# Altium PCB NUCLEOG431RB-Custom-IN-A2212.PcbDoc (part 2 of 5)
Units mm, origin at the board's own origin, x right, y up, seen from the top; angles counter-clockwise.
Board outline 170 x 108 mm, 4 copper layers (Top Layer, POWER1, POWER2, Bottom Layer), stack 1.746 mm thick; 529 components, 254 nets, 1242 pads, 583 vias.
Unrouted connection lines stored in the file: 26.
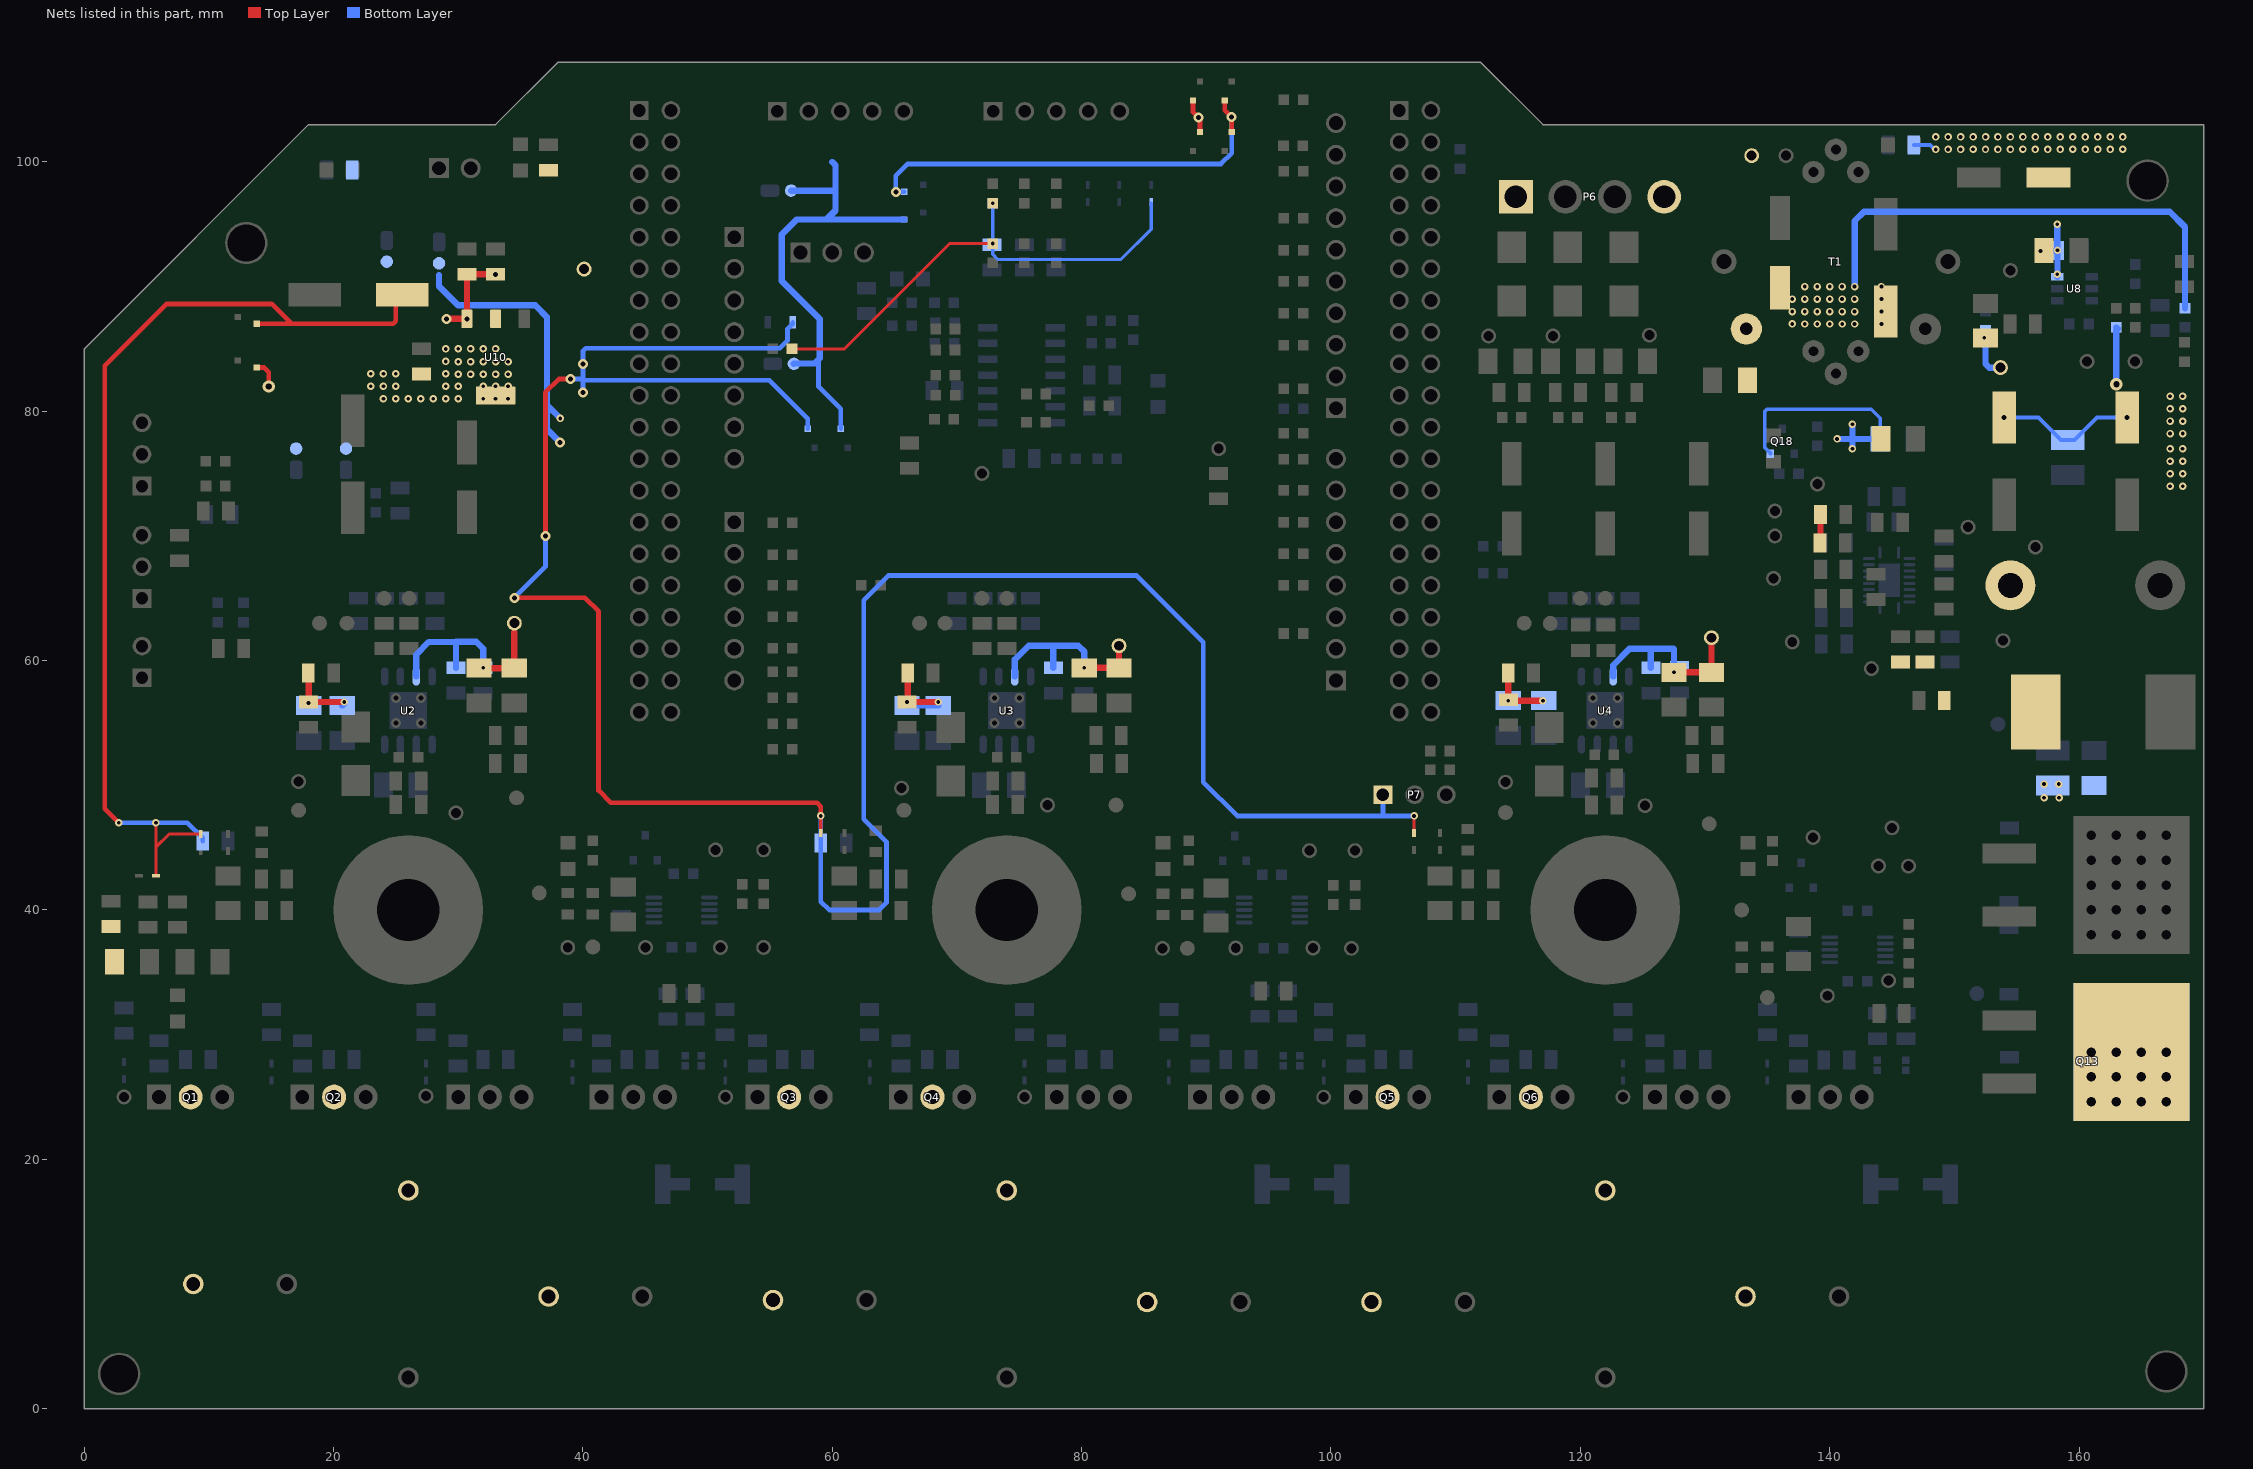
[diagram p4: the nets of this part, all layers, seen from the top]

## Footprints (in the part's own frame and the unit in brackets; to place one, negate y for a bottom-side part, rotate by r counter-clockwise, add the part's x,y. Pads: shape width x height; smd on the part's side, far side on the other; paste and mask are expansions set on the pad) (continued)
SMD-0805-RES [mil]
  rect 60x40 smd: 1(0,40) 2(0,-40)
  silkscreen extent -35,-65 35,65, body extent -24,-39 26,39, height 31
SMD-0805C [mil]
  rect 60x40 smd: 1(0,40) 2(0,-40)
  silkscreen extent -25,0 25,0, body extent -25,-39 25,39, height 35
SMD-1206-RES [mil]
  rect 80x60 smd: 1(0,55) 2(0,-55)
  silkscreen extent -45,-90 45,90, body extent -34,-66 34,66, height 33
SMD-1206C#1 [mil]
  rect 80x60 smd: 1(0,55) 2(0,-55)
  silkscreen extent -45,-90 45,90, body extent -31,-63 32,63, height 39
SMD-1206C#2 [mil]
  rect 80x60 smd: 1(0,55) 2(1.13,-55)
  silkscreen extent -45,-90 45,90, body extent -31,-63 32,63, height 39
SMD-1210C [mm]
  rect 1.6x2.7 smd: 1(-1.4,0) 2(1.4,0)
  silkscreen extent -2.13,-1.62 2.13,1.63, body extent -2,-1.22 2,1.27, height 1.7
SMD-2512-RES [mil]
  rect 49x125 smd: 1(-125.5,0) 2(125.5,0)
  rect 80x39.37 smd: 3(-78.74,0) 4(78.74,0)
  silkscreen extent -125,-75 125,75, body extent -125,-59 125,59, height 63
SOIC127P570X175_HS-9N [mm] "SOIC, 8-Leads, Body 4.91x3.90mm, Pitch 1.27mm, Thermal Pad 3.00x3.00mm, IPC Medium Density"
  oval 1.45x0.6 smd: 1(-2.725,1.905) 2(-2.725,0.635) 3(-2.725,-0.635) 4(-2.725,-1.905) 5(2.725,-1.905) 6(2.725,-0.635) 7(2.725,0.635) 8(2.725,1.905)
  round 0.8 hole 0.4: 4(-1,-1) 4(-1,1) 4(0,0) 4(1,-1) 4(1,1)
  rect 3x3 smd: 4(0,0)
  silkscreen extent -2.85,-2.5 1.6,2.88, body extent -2.77,-2.5 2.77,2.5, height 1.75
"Solder Bridge - HP" [mm]
  rrect50% 1.5x1 smd: 1(-1.7,0)
  round 1 smd: 2(0,0)
  Top Layer region: 1.173,-0.432 0.816,-0.947 0.253,-1.224 -0.373,-1.193 -0.905,-0.862 -1.21,-0.314 -1.21,0.313 -0.906,0.861 -0.374,1.193 0.252,1.224 0.815,0.948 1.173,0.433 1.173,0.433 0.614,0.43 0.329,0.674 -0.039,0.749 -0.397,0.636 -0.656,0.364 -0.75,0 -0.656,-0.364 -0.397,-0.636 -0.039,-0.749 0.329,-0.674 0.614,-0.43 0.614,-0.43
  Top Layer region: 0,-0.254 0,0.254 1.27,0.254 1.27,-0.254
"SOLDER BRIDGE - HP - SQ" [mm]
  rect 0.5x0.5 smd: 1(0,1.13) 2(1.524,0.571)
  Top Layer region: 0,0 0,0.254 1.27,0.254 1.27,0.864 0.432,0.864 0.432,1.143 1.524,1.143 1.524,0
  Top Layer region: 0,0.432 0,1.575 1.524,1.575 1.524,1.321 0.254,1.321 0.254,0.686 1.092,0.686 1.092,0.432
"Solder Bridge - HP - SQ" [mm]
  rect 0.5x0.5 smd: 1(0,1.13) 2(1.524,0.571)
  Top Layer region: 0,0 0,0.254 1.27,0.254 1.27,0.864 0.432,0.864 0.432,1.143 1.524,1.143 1.524,0
  Top Layer region: 0,0.432 0,1.575 1.524,1.575 1.524,1.321 0.254,1.321 0.254,0.686 1.092,0.686 1.092,0.432
SOT95P278X110-6N [mm] "SOT23, 6-Leads, Body 2.90x2.78mm, Pitch 0.95mm, IPC Medium Density"
  rect 1x0.6 smd mask+0.203: 1(-1.375,0.95) 2(-1.375,0) 3(-1.375,-0.95) 4(1.375,-0.95) 5(1.375,0) 6(1.375,0.95)
  silkscreen extent -1.5,-1.55 0.5,1.92, body extent -1.53,-1.53 1.53,1.53, height 1.1
SRR1260 [mm]
  rect 4x6 smd: 1(-5.4,0) 2(5.4,0)
  silkscreen extent -6.6,-6.48 6.48,6.48, body extent -6.49,-6.4 6.48,6.4, height 8.5
Tab [mm]
  round 12 hole 5: 1(0,0)
  body extent -6,-6 6,6, height 30
Test_point_SMD#1 [mm]
  round 1.2 smd: 1(0,0)
Test_point_SMD#2 [mm]
  round 1.2 smd: 1(0,1.004)
Test_point_SMD#3 [mm]
  round 1.2 smd: 1(0,0.975)
Test_point_SMD#4 [mm]
  round 1.2 smd: 1(0,0.2)
Test_point_THT#1 [mm]
  round 1.2 hole 0.8: 1(0,0)
Test_point_THT#2 [mm]
  round 1.2 hole 0.8: 1(0.1,0)
Test_point_THT#3 [mm]
  round 1.2 hole 0.8: 1(0,0.174)
TEST_POINT_THT [mm]
  round 1.2 hole 0.8: 1(0,0)
TO-220-3_HORIZONTAL_TABUP [mm]
  rect 1.905x2 hole 1.1 paste-2 mask+0.05: 1(0,0)
  rrect100% 1.905x2 hole 1.1 paste-2 mask+0.05: 2(2.54,0) 3(5.08,0)
  silkscreen extent -2.58,-19.58 7.66,-1.15, body extent -2.58,-19.47 7.67,0.26, height 4.45
TSSOP50P490X110-10N [mm] "TSSOP, 10-Leads, Body 3.00x3.00mm, Pitch 0.50mm, IPC Medium Density"
  oval 1.35x0.3 smd mask+0.127: 1(-2.225,1) 2(-2.225,0.5) 3(-2.225,0) 4(-2.225,-0.5) 5(-2.225,-1) 6(2.225,-1) 7(2.225,-0.5) 8(2.225,0) 9(2.225,0.5) 10(2.225,1)
  silkscreen extent -2.35,-1.55 1.15,1.82, body extent -2.45,-1.55 2.45,1.55, height 1.1
WCAP-ASLL_6.3x5.5 [mm] "Aluminium Electrolytic V-Chip SMT Capacitors, 6.3x5.5mm"
  rect 3.5x1.6 smd: 1(-2.8,0) 2(2.8,0)
  silkscreen extent -3.4,-3.4 3.4,3.4, body extent -3.65,-3.3 3.65,3.3, height 5.5
WCAP-ASLL_8x10.5 [mm] "Aluminium Electrolytic V-Chip SMT Capacitors, 8x10.5mm"
  rect 4.2x1.9 smd: 1(-3.5,0) 2(3.5,0)
  silkscreen extent -4.25,-4.25 4.25,4.25, body extent -4.5,-4.15 4.5,4.15, height 10.5
WCAP-ASLU_8x6.5 [mm] "Aluminum Electrolytic Capacitors, body diameter 8mm"
  rect 4.2x1.9 smd: 1(-3.5,0) 2(3.5,0)
  silkscreen extent -4.25,-4.25 4.25,4.25, body extent -4.5,-4.15 4.5,4.15, height 6.49
WCAP-ATUL_16x25 [mm] "Aluminum Electrolytic Capacitors, 16x25mm"
  round 1.65 hole 1.1: 1(-3.75,0) 2(3.75,0)
  silkscreen extent -8.25,-8.25 8.25,8.25, body extent -7.99,-8 8,8, height 24.89

## Part data
C1 C2 C3: library part GQM2195C2A181GB12D, "CAP CER 180PF 100V NP0 0805", Digi-Key Part Number=490-7180-1-ND, Manufacturer="Murata Electronics North America", Operating Temperature="-55°C ~ 125°C", Package / Case="0805 (2012 Metric)", Ratings=-, Temperature Coefficient="C0G, NP0", Tolerance=±2%, Voltage=100V, @ qty=0, Applications="RF, Microwave, High Frequency", Datasheets=http://www.murata.com/~/media/webrenewal/support/library/catalog/products/capacitor/mlcc/c02e.pdf, Factory Stock=0, Features="High Q, Low Loss", Height - Seated (Max)=-, Image=//media.digikey.com/Renders/Murata%20Renders/0805(GxM9).jpg, Lead Spacing=-, Lead Style=-, Minimum Quantity=1, Mounting Type="Surface Mount, MLCC", Packaging="Cut Tape (CT)", Part Number=GQM2195C2A181GB12D, Part Status=Active, Quantity Available=7523, Series=GQM, Size / Dimension="0.079\" L x 0.049\" W (2.01mm x 1.25mm)", Thickness (Max)="0.037\" (0.95mm)", Unit Price (USD)=1.44
C4 C5 C6: library part 890263425004CS, "WCAP-FTBE THT Film Capacitors, 2.2uF, 100VDC", Capacitance=2.2uF, Insulation Resistance="3000Ohm x F", Operating Temperature="-40 to +85degC", Rate of Voltage Rise=9V/us, Rated Voltage=100VDC, ComponentLink1Description=Manufacturer, ComponentLink1URL=http://www.we-online.de, ComponentLink2Description=Datasheet, ComponentLink2URL=https://katalog.we-online.com/pbs/datasheet/890263425004CS.pdf, Dissipation Factor@1kHz=1%, Dissipation Factor@10kHz=1.6%, Dissipation Factor@100kHz=5%, Height=15mm, Length=18mm, Mounting Technology=THT, Packaging=Carton, Part Number=890263425004CS, Pitch=15mm, Published Date="August 2019", Publisher="Wurth Elektronik", Technical Reference=MPSP015225K100DCPP45004, Width=8.5mm
C7 C8 C9 C10 C11 C12: library part 860040880007, "WCAP-ATUL THT Aluminum Electrolytic Capacitors, D16mm x L25mm, 270uF, +/-20%, 100VDC", Capacitance=270uF, Capacitance Tolerance=+/-20%, Leakage Current=270uA, Operating Temperature="-40 to +105degC", Rated Voltage=100VDC, Ripple Current max.=1480mA, ComponentLink1Description=Manufacturer, ComponentLink1URL=http://www.we-online.de, ComponentLink2Description=Datasheet, ComponentLink2URL=https://katalog.we-online.com/pbs/datasheet/860040880007.pdf, Diameter=16mm, Dissipation Factor=9%, Endurance=10000h, Length=25mm, Mounting Technology=THT, Packaging="Ammo Pack", Part Number=860040880007, Published Date="August 2019", Publisher="Wurth Elektronik", Technical Reference=ATDK250271M100DSPAEK000
C13 C14 C15 C16 C17 C18 C39 C40 C41 C42 C97 C98 C99 C100 C116 C120 C121 C126 C131: library part GCD21BR71H104KA01L, "CAP CER 0.1UF 50V X7R 0805", Digi-Key Part Number=490-11955-1-ND, Manufacturer="Murata Electronics North America", Operating Temperature="-55°C ~ 125°C", Package / Case="0805 (2012 Metric)", Ratings=AEC-Q200, Temperature Coefficient=X7R, Tolerance=±10%, Voltage=50V, @ qty=0, Applications=Automotive, Datasheets=http://www.murata.com/~/media/webrenewal/support/library/catalog/products/capacitor/mlcc/c03e.ashx, Factory Stock=0, Features=-, Height - Seated (Max)=-, Image=//media.digikey.com/Renders/Murata%20Renders/0805%28GxM6%29.jpg, Lead Spacing=-, Lead Style=-, Minimum Quantity=1, Mounting Type="Surface Mount, MLCC", Packaging="Cut Tape (CT)", Part Number=GCD21BR71H104KA01L, Part Status=Active, Quantity Available=157, Series=GCD, Size / Dimension="0.079\" L x 0.049\" W (2.00mm x 1.25mm)", Thickness (Max)="0.049\" (1.25mm)", Unit Price (USD)=0.24
C19 C20: library part GCJ31CR71E475KA12L, "CAP CER 4.7UF 25V X7R 1206", Digi-Key Part Number=490-5808-1-ND, Manufacturer="Murata Electronics North America", Operating Temperature="-55°C ~ 125°C", Package / Case="1206 (3216 Metric)", Ratings=AEC-Q200, Temperature Coefficient=X7R, Tolerance=±10%, Voltage=25V, @ qty=0, Applications="Automotive, Boardflex Sensitive", Datasheets=http://www.murata.com/~/media/webrenewal/support/library/catalog/products/capacitor/mlcc/c03e.ashx, Factory Stock=0, Features="Soft Termination", Height - Seated (Max)=-, Image=//media.digikey.com/Renders/Murata%20Renders/GR331BD72E473KW01L.jpg, Lead Spacing=-, Lead Style=-, Minimum Quantity=1, Mounting Type="Surface Mount, MLCC", Packaging="Cut Tape (CT)", Part Number=GCJ31CR71E475KA12L, Part Status=Active, Quantity Available=31743, Series=GCJ, Size / Dimension="0.126\" L x 0.063\" W (3.20mm x 1.60mm)", Thickness (Max)="0.075\" (1.90mm)", Unit Price (USD)=0.65
C21: library part GCJ32DR72A225KA01L, "CAP CER 2.2UF 100V X7R 1210", Digi-Key Part Number=490-5840-1-ND, Manufacturer="Murata Electronics North America", Operating Temperature="-55°C ~ 125°C", Package / Case="0.126\" L x 0.098\" W (3.20mm x 2.50mm)", Ratings=AEC-Q200, Temperature Coefficient=X7R, Tolerance=±10%, Voltage=100V, @ qty=0, Applications="Automotive, Boardflex Sensitive", Datasheets=http://www.murata.com/~/media/webrenewal/support/library/catalog/products/capacitor/mlcc/c03e.ashx, Factory Stock=0, Failure Rate="Surface Mount, MLCC", Features="Soft Termination", Height - Seated (Max)="0.079\" (2.00mm)", Image=//media.digikey.com/Renders/Murata%20Renders/1210-32R.jpg, Lead Spacing=-, Minimum Quantity=1, Mounting Type="1210 (3225 Metric)", Packaging="Cut Tape (CT)", Part Number=GCJ32DR72A225KA01L, Part Status=Active, Quantity Available=84171, Series=GCJ, Size / Dimension=-, Thickness (Max)=-, Unit Price (USD)=1.5
C22: library part GRM31MR72A474KA35L, "CAP CER 0.47UF 100V X7R 1206", Digi-Key Part Number=490-11647-1-ND, Manufacturer="Murata Electronics North America", Operating Temperature="-55°C ~ 125°C", Package / Case="1206 (3216 Metric)", Ratings=-, Temperature Coefficient=X7R, Tolerance=±10%, Voltage=100V, @ qty=0, Applications="General Purpose", Datasheets=http://www.murata.com/~/media/webrenewal/support/library/catalog/products/capacitor/mlcc/c02e.pdf, Factory Stock=0, Features=-, Height - Seated (Max)=-, Image=//media.digikey.com/Renders/Murata%20Renders/GR331BD72E473KW01L.jpg, Lead Spacing=-, Lead Style=-, Minimum Quantity=1, Mounting Type="Surface Mount, MLCC", Packaging="Cut Tape (CT)", Part Number=GRM31MR72A474KA35L, Part Status=Active, Quantity Available=7752, Series=GRM, Size / Dimension="0.126\" L x 0.063\" W (3.20mm x 1.60mm)", Thickness (Max)="0.049\" (1.25mm)", Unit Price (USD)=0.7
C23 C24 C25 C122 C133 C134: library part GRM21BR71E104KA01L, "CAP CER 0.1UF 25V X7R 0805", Digi-Key Part Number=490-1673-1-ND, Manufacturer="Murata Electronics North America", Operating Temperature="-55°C ~ 125°C", Package / Case="0805 (2012 Metric)", Ratings=-, Temperature Coefficient=X7R, Tolerance=±10%, Voltage=25V, @ qty=0, Applications="General Purpose", Datasheets=http://www.murata.com/~/media/webrenewal/support/library/catalog/products/capacitor/mlcc/c02e.pdf, Factory Stock=0, Features=-, Height - Seated (Max)=-, Image=//media.digikey.com/Renders/Murata%20Renders/0805%20(2012%20Metric)%20.85mm.jpg, Lead Spacing=-, Lead Style=-, Minimum Quantity=1, Mounting Type="Surface Mount, MLCC", Packaging="Cut Tape (CT)", Part Number=GRM21BR71E104KA01L, Part Status=Active, Quantity Available=1009396, Series=GRM, Size / Dimension="0.079\" L x 0.049\" W (2.00mm x 1.25mm)", Thickness (Max)="0.053\" (1.35mm)", Unit Price (USD)=0.19
C26: library part GQM2195C2A100GB01D, "CAP CER 10PF 100V NP0 0805", Digi-Key Part Number=490-6098-1-ND, Manufacturer="Murata Electronics North America", Operating Temperature="-55°C ~ 125°C", Package / Case="0805 (2012 Metric)", Ratings=-, Temperature Coefficient="C0G, NP0", Tolerance=±2%, Voltage=100V, @ qty=0, Applications="RF, Microwave, High Frequency", Datasheets=http://www.murata.com/~/media/webrenewal/support/library/catalog/products/capacitor/mlcc/c02e.pdf, Factory Stock=0, Features="High Q, Low Loss", Height - Seated (Max)=-, Image=//media.digikey.com/Renders/Murata%20Renders/0805(GxM9).jpg, Lead Spacing=-, Lead Style=-, Minimum Quantity=1, Mounting Type="Surface Mount, MLCC", Packaging="Cut Tape (CT)", Part Number=GQM2195C2A100GB01D, Part Status=Active, Quantity Available=3211, Series=GQM, Size / Dimension="0.079\" L x 0.049\" W (2.00mm x 1.25mm)", Thickness (Max)="0.037\" (0.95mm)", Unit Price (USD)=0.91
C27 C28: library part 865060553006, "WCAP-ASLL SMT Aluminum Electrolytic Capacitors, D8mm x L10.5mm, 100uF, +/-20%, 35VDC", Capacitance=100uF, Capacitance Tolerance=+/-20%, Leakage Current=35uA, Operating Temperature="-55 to +105degC", Rated Voltage=35VDC, Ripple Current max.=450mA, ComponentLink1Description=Manufacturer, ComponentLink1URL=http://www.we-online.de, ComponentLink2Description=Datasheet, ComponentLink2URL=https://katalog.we-online.com/pbs/datasheet/865060553006.pdf, Diameter=8mm, Dissipation Factor=14%, Endurance=5000h, Length=10.5mm, Mounting Technology=SMT, Packaging="Tape and Reel", Part Number=865060553006, Published Date="August 2019", Publisher="Wurth Elektronik", Technical Reference=ASEE105101M035DVCTEE000
C29: library part GRM32DR61E106MA12L, "CAP CER 10UF 25V X5R 1210", Digi-Key Part Number=490-6530-1-ND, Manufacturer="Murata Electronics North America", Operating Temperature="-55°C ~ 85°C", Package / Case="0.126\" L x 0.098\" W (3.20mm x 2.50mm)", Ratings=-, Temperature Coefficient=X5R, Tolerance=±20%, Voltage=25V, @ qty=0, Applications="General Purpose", Datasheets=http://www.murata.com/~/media/webrenewal/support/library/catalog/products/capacitor/mlcc/c02e.pdf, Factory Stock=0, Failure Rate="Surface Mount, MLCC", Features=-, Height - Seated (Max)="0.087\" (2.20mm)", Image=//media.digikey.com/Renders/Murata%20Renders/1210-3225-16.jpg, Lead Spacing=-, Minimum Quantity=1, Mounting Type="1210 (3225 Metric)", Packaging="Cut Tape (CT)", Part Number=GRM32DR61E106MA12L, Part Status=Active, Quantity Available=29124, Series=GRM, Size / Dimension=-, Thickness (Max)=-, Unit Price (USD)=0.5
C30 C31: library part GRM31CR71E106MA12L, "CAP CER 10UF 25V X7R 1206", Digi-Key Part Number=490-6519-1-ND, Manufacturer="Murata Electronics North America", Operating Temperature="-55°C ~ 125°C", Package / Case="1206 (3216 Metric)", Ratings=-, Temperature Coefficient=X7R, Tolerance=±20%, Voltage=25V, @ qty=0, Applications="General Purpose", Datasheets=http://www.murata.com/~/media/webrenewal/support/library/catalog/products/capacitor/mlcc/c02e.pdf, Factory Stock=0, Features=-, Height - Seated (Max)=-, Image=//media.digikey.com/Renders/Murata%20Renders/GR331BD72E473KW01L.jpg, Lead Spacing=-, Lead Style=-, Minimum Quantity=1, Mounting Type="Surface Mount, MLCC", Packaging="Cut Tape (CT)", Part Number=GRM31CR71E106MA12L, Part Status=Active, Quantity Available=42201, Series=GRM, Size / Dimension="0.126\" L x 0.063\" W (3.20mm x 1.60mm)", Thickness (Max)="0.071\" (1.80mm)", Unit Price (USD)=0.25
C32: library part GRM21BR72A183KA01L, "CAP CER 0.018UF 100V X7R 0805", Digi-Key Part Number=490-1657-1-ND, Manufacturer="Murata Electronics North America", Operating Temperature="-55°C ~ 125°C", Package / Case="0805 (2012 Metric)", Ratings=-, Temperature Coefficient=X7R, Tolerance=±10%, Voltage=100V, @ qty=0, Applications="General Purpose", Datasheets=http://www.murata.com/~/media/webrenewal/support/library/catalog/products/capacitor/mlcc/c02e.pdf, Factory Stock=0, Features=-, Height - Seated (Max)=-, Image=//media.digikey.com/Renders/Murata%20Renders/0805%20(2012%20Metric)%20.85mm.jpg, Lead Spacing=-, Lead Style=-, Minimum Quantity=1, Mounting Type="Surface Mount, MLCC", Packaging="Cut Tape (CT)", Part Number=GRM21BR72A183KA01L, Part Status=Active, Quantity Available=8214, Series=GRM, Size / Dimension="0.079\" L x 0.049\" W (2.00mm x 1.25mm)", Thickness (Max)="0.053\" (1.35mm)", Unit Price (USD)=0.21
C33 C34 C123 C124: library part GCJ21BR71C475KA01L, "CAP CER 4.7UF 16V X7R 0805", Digi-Key Part Number=490-10557-1-ND, Manufacturer="Murata Electronics North America", Operating Temperature="-55°C ~ 125°C", Package / Case="0805 (2012 Metric)", Ratings=AEC-Q200, Temperature Coefficient=X7R, Tolerance=±10%, Voltage=16V, @ qty=0, Applications="Automotive, Boardflex Sensitive", Datasheets=http://www.murata.com/~/media/webrenewal/support/library/catalog/products/capacitor/mlcc/c03e.ashx, Factory Stock=0, Features="Soft Termination", Height - Seated (Max)=-, Image=//media.digikey.com/Renders/Murata%20Renders/0805%20(2012%20Metric)%20.85mm.jpg, Lead Spacing=-, Lead Style=-, Minimum Quantity=1, Mounting Type="Surface Mount, MLCC", Packaging="Cut Tape (CT)", Part Number=GCJ21BR71C475KA01L, Part Status=Active, Quantity Available=53217, Series=GCJ, Size / Dimension="0.079\" L x 0.049\" W (2.00mm x 1.25mm)", Thickness (Max)="0.057\" (1.45mm)", Unit Price (USD)=0.44
C35: library part GCJ216R71H102KA01D, "CAP CER 1000PF 50V X7R 0805", Digi-Key Part Number=490-5813-1-ND, Manufacturer="Murata Electronics North America", Operating Temperature="-55°C ~ 125°C", Package / Case="0805 (2012 Metric)", Ratings=AEC-Q200, Temperature Coefficient=X7R, Tolerance=±10%, Voltage=50V, @ qty=0, Applications="Automotive, Boardflex Sensitive", Datasheets=http://www.murata.com/~/media/webrenewal/support/library/catalog/products/capacitor/mlcc/c03e.ashx, Factory Stock=0, Features="Soft Termination", Height - Seated (Max)=-, Image=//media.digikey.com/Renders/Murata%20Renders/0805%20(2012%20Metric)%20.85mm.jpg, Lead Spacing=-, Lead Style=-, Minimum Quantity=1, Mounting Type="Surface Mount, MLCC", Packaging="Cut Tape (CT)", Part Number=GCJ216R71H102KA01D, Part Status=Active, Quantity Available=3433, Series=GCJ, Size / Dimension="0.079\" L x 0.049\" W (2.00mm x 1.25mm)", Thickness (Max)="0.024\" (0.60mm)", Unit Price (USD)=0.24
C36: library part GCJ219R71H333KA01D, "CAP CER 0.033UF 50V X7R 0805", Digi-Key Part Number=490-5846-1-ND, Manufacturer="Murata Electronics North America", Operating Temperature="-55°C ~ 125°C", Package / Case="0805 (2012 Metric)", Ratings=AEC-Q200, Temperature Coefficient=X7R, Tolerance=±10%, Voltage=50V, @ qty=0, Applications="Automotive, Boardflex Sensitive", Datasheets=http://www.murata.com/~/media/webrenewal/support/library/catalog/products/capacitor/mlcc/c03e.ashx, Factory Stock=0, Features="Soft Termination", Height - Seated (Max)=-, Image=//media.digikey.com/Renders/Murata%20Renders/0805%20(2012%20Metric)%20.85mm.jpg, Lead Spacing=-, Lead Style=-, Minimum Quantity=1, Mounting Type="Surface Mount, MLCC", Packaging="Cut Tape (CT)", Part Number=GCJ219R71H333KA01D, Part Status=Active, Quantity Available=2881, Series=GCJ, Size / Dimension="0.079\" L x 0.049\" W (2.00mm x 1.25mm)", Thickness (Max)="0.033\" (0.85mm)", Unit Price (USD)=0.29
C37: library part GQM2195C2A1R0BB01D, "CAP CER 1PF 100V NP0 0805", Digi-Key Part Number=490-6099-1-ND, Manufacturer="Murata Electronics North America", Operating Temperature="-55°C ~ 125°C", Package / Case="0805 (2012 Metric)", Ratings=-, Temperature Coefficient="C0G, NP0", Tolerance=±0.1pF, Voltage=100V, @ qty=0, Applications="RF, Microwave, High Frequency", Datasheets=http://www.murata.com/~/media/webrenewal/support/library/catalog/products/capacitor/mlcc/c02e.pdf, Factory Stock=0, Features="High Q, Low Loss", Height - Seated (Max)=-, Image=//media.digikey.com/Renders/Murata%20Renders/0805(GxM9).jpg, Lead Spacing=-, Lead Style=-, Minimum Quantity=1, Mounting Type="Surface Mount, MLCC", Packaging="Cut Tape (CT)", Part Number=GQM2195C2A1R0BB01D, Part Status=Active, Quantity Available=1739, Series=GQM, Size / Dimension="0.079\" L x 0.049\" W (2.00mm x 1.25mm)", Thickness (Max)="0.037\" (0.95mm)", Unit Price (USD)=0.82
C38 C45 C117 C127 C132: library part GCM188R71C104KA37D, "CAP CER 0.1UF 16V X7R 0603", Digi-Key Part Number=490-4774-1-ND, Manufacturer="Murata Electronics North America", Operating Temperature="-55°C ~ 125°C", Package / Case="0603 (1608 Metric)", Ratings=AEC-Q200, Temperature Coefficient=X7R, Tolerance=±10%, Voltage=16V, @ qty=0, Applications=Automotive, Datasheets=http://www.murata.com/~/media/webrenewal/support/library/catalog/products/capacitor/mlcc/c03e.ashx, Factory Stock=0, Features=-, Height - Seated (Max)=-, Image=//media.digikey.com/Renders/Murata%20Renders/0603%28GCM188%29.jpg, Lead Spacing=-, Lead Style=-, Minimum Quantity=1, Mounting Type="Surface Mount, MLCC", Packaging="Cut Tape (CT)", Part Number=GCM188R71C104KA37D, Part Status=Active, Quantity Available=284085, Series=GCM, Size / Dimension="0.063\" L x 0.031\" W (1.60mm x 0.80mm)", Thickness (Max)="0.035\" (0.90mm)", Unit Price (USD)=0.18
C43: library part 865060543005, "WCAP-ASLL SMT Aluminum Electrolytic Capacitors, D6.3mm x L5.5mm, 47uF, +/-20%, 35VDC", Capacitance=47uF, Capacitance Tolerance=+/-20%, Leakage Current=16.45uA, Operating Temperature="-55 to +105degC", Rated Voltage=35VDC, Ripple Current max.=240mA, ComponentLink1Description=Manufacturer, ComponentLink1URL=http://www.we-online.de, ComponentLink2Description=Datasheet, ComponentLink2URL=https://katalog.we-online.com/pbs/datasheet/865060543005.pdf, Diameter=6.3mm, Dissipation Factor=14%, Endurance=2000h, Length=5.5mm, Mounting Technology=SMT, Packaging="Tape and Reel", Part Number=865060543005, Published Date="August 2019", Publisher="Wurth Elektronik", Technical Reference=ASED055470M035DVCTBB000
C44 C118 C128 C129 C130: library part 865060443004, "WCAP-ASLL SMT Aluminum Electrolytic Capacitors, D6.3mm x L5.5mm, 47uF, +/-20%, 25VDC", Capacitance=47uF, Capacitance Tolerance=+/-20%, Leakage Current=11.75uA, Operating Temperature="-55 to +105degC", Rated Voltage=25VDC, Ripple Current max.=230mA, ComponentLink1Description=Manufacturer, ComponentLink1URL=http://www.we-online.de, ComponentLink2Description=Datasheet, ComponentLink2URL=https://katalog.we-online.com/pbs/datasheet/865060443004.pdf, Diameter=6.3mm, Dissipation Factor=14%, Endurance=2000h, Length=5.5mm, Mounting Technology=SMT, Packaging="Tape and Reel", Part Number=865060443004, Published Date="August 2019", Publisher="Wurth Elektronik", Technical Reference=ASED055470M025DVCTBB000
C46 C119 C125: library part 865090449009, "WCAP-ASLU Aluminium Electrolytic Capacitors, D8mm x L6.5mm, 100uF, +/-20%, 25VDC", Capacitance=100uF, Capacitance Tolerance=+/-20%, Leakage Current=5uA, Operating Temperature="-40 to +85degC", Rated Voltage=25VDC, Ripple Current max.=110mA, ComponentLink1Description=Manufacturer, ComponentLink1URL=http://www.we-online.de, ComponentLink2Description=Datasheet, ComponentLink2URL=https://katalog.we-online.com/pbs/datasheet/865090449009.pdf, Diameter=8mm, Dissipation Factor=16%, Endurance=1000h, Length=6.5mm, Mounting Technology=SMD, Packaging="Tape and Reel", Part Number=865090449009, Published Date="August 2019", Publisher="Wurth Elektronik", Technical Reference=ASBE065101M025DVCTBA000
C47 C48: library part GQM2195C1H820JB01D, "CAP CER 82PF 50V NP0 0805", Digi-Key Part Number=490-3615-1-ND, Manufacturer="Murata Electronics North America", Operating Temperature="-55°C ~ 125°C", Package / Case="0805 (2012 Metric)", Ratings=-, Temperature Coefficient="C0G, NP0", Tolerance=±5%, Voltage=50V, @ qty=0, Applications="RF, Microwave, High Frequency", Datasheets=http://www.murata.com/~/media/webrenewal/support/library/catalog/products/capacitor/mlcc/c02e.pdf, Factory Stock=0, Features="High Q, Low Loss", Height - Seated (Max)=-, Image=//media.digikey.com/Renders/Murata%20Renders/0805(GxM9).jpg, Lead Spacing=-, Lead Style=-, Minimum Quantity=1, Mounting Type="Surface Mount, MLCC", Packaging="Cut Tape (CT)", Part Number=GQM2195C1H820JB01D, Part Status=Active, Quantity Available=7488, Series=GQM, Size / Dimension="0.079\" L x 0.049\" W (2.00mm x 1.25mm)", Thickness (Max)="0.037\" (0.95mm)", Unit Price (USD)=1.22
C49 C65 C78 C90 C93 C96: library part GRJ31CR71E106KE11L, "CAP CER 10UF 25V X7R 1206", Digi-Key Part Number=490-10940-1-ND, Manufacturer="Murata Electronics North America", Operating Temperature="-55°C ~ 125°C", Package / Case="1206 (3216 Metric)", Ratings=-, Temperature Coefficient=X7R, Tolerance=±10%, Voltage=25V, @ qty=0, Applications="Boardflex Sensitive", Datasheets=http://www.murata.com/~/media/webrenewal/support/library/catalog/products/capacitor/mlcc/c02e.pdf, Factory Stock=0, Features="Soft Termination", Height - Seated (Max)=-, Image=//media.digikey.com/Renders/Murata%20Renders/GR331BD72E473KW01L.jpg, Lead Spacing=-, Lead Style=-, Minimum Quantity=1, Mounting Type="Surface Mount, MLCC", Packaging="Cut Tape (CT)", Part Number=GRJ31CR71E106KE11L, Part Status=Active, Quantity Available=1598, Series=GRJ, Size / Dimension="0.126\" L x 0.063\" W (3.20mm x 1.60mm)", Thickness (Max)="0.075\" (1.90mm)", Unit Price (USD)=0.69
C50 C66 C79: library part GCJ21BR71H105KA01L, "CAP CER 1UF 50V X7R 0805", Digi-Key Part Number=490-10667-1-ND, Manufacturer="Murata Electronics North America", Operating Temperature="-55°C ~ 125°C", Package / Case="0805 (2012 Metric)", Ratings=AEC-Q200, Temperature Coefficient=X7R, Tolerance=±10%, Voltage=50V, @ qty=0, Applications="Automotive, Boardflex Sensitive", Datasheets=http://www.murata.com/~/media/webrenewal/support/library/catalog/products/capacitor/mlcc/c03e.ashx, Factory Stock=0, Features="Soft Termination", Height - Seated (Max)=-, Image=//media.digikey.com/Renders/Murata%20Renders/0805%20(2012%20Metric)%20.85mm.jpg, Lead Spacing=-, Lead Style=-, Minimum Quantity=1, Mounting Type="Surface Mount, MLCC", Packaging="Cut Tape (CT)", Part Number=GCJ21BR71H105KA01L, Part Status=Active, Quantity Available=55137, Series=GCJ, Size / Dimension="0.079\" L x 0.049\" W (2.00mm x 1.25mm)", Thickness (Max)="0.057\" (1.45mm)", Unit Price (USD)=0.33